# Altium PCB SmartLock_Alpha_v1.PcbDoc (continued)
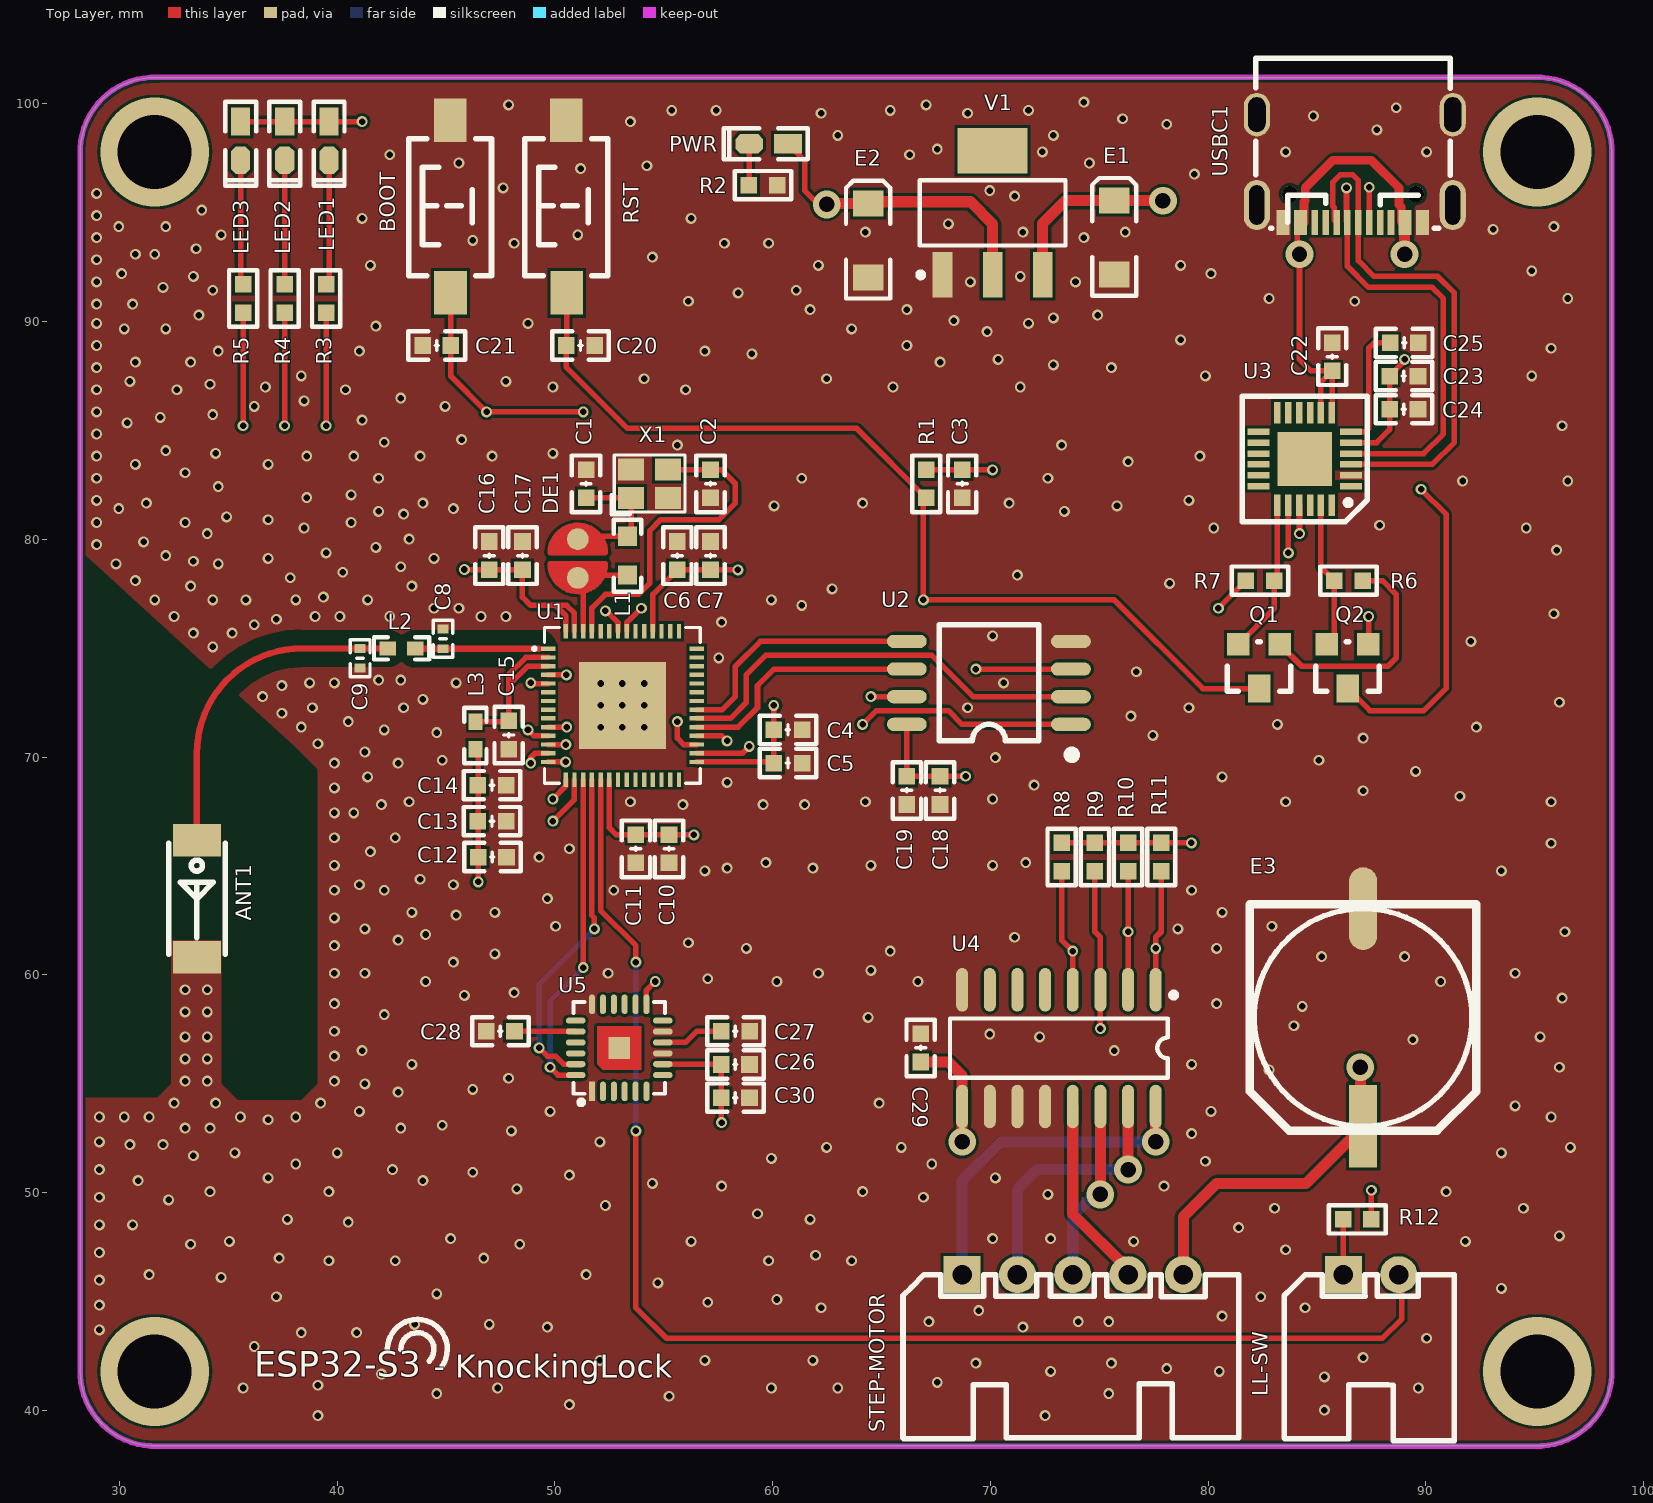
[diagram p0: Top Layer view]
## Footprints (in the part's own frame and the unit in brackets; to place one, negate y for a bottom-side part, rotate by r counter-clockwise, add the part's x,y. Pads: shape width x height; smd on the part's side, far side on the other; paste and mask are expansions set on the pad)
"C 0402_L" [mm] "无极性贴片电容         淘宝ID:黄晶宝石"
  rect 0.4x0.5 smd: 1(-0.45,0) 2(0.45,0)
  silkscreen extent -0.85,-0.45 0.85,0.45, body extent -0.5,-0.26 0.5,0.26, height 0.51
"C 0603_L" [mil] "无极性贴片电容                                       淘宝ID:黄晶宝石"
  rect 30x30 smd: 1(-25.59,0) 2(25.59,0)
  silkscreen extent -51,-26 51,26, body extent -31,-16 32,16, height 32
"CD A(3216)" [mm] "长3.2mm，宽1.6mm，厚1.6mm      淘宝ID:黄晶宝石"
  rect 1.2x1.4 smd: 1(-1.7,0) 2(1.7,0)
  silkscreen extent -2.74,-1.02 2.67,1.02, body extent -1.6,-0.8 1.6,0.8, height 1.6
"CT 10*8 - C" [mm] "直径10mm，高8mm"
  rect 3.8x1.3 smd: 1(5,0)
  oval 3.8x1.3 smd: 2(-5,0)
  silkscreen extent -5.2,-5.2 5.2,5.2, body extent -5.8,-5.15 5.8,5.15, height 8
DEBUG_A [mm] "调试断点焊盘"
  round 1 smd paste-1: 1(-0.889,0) 2(0.889,0)
  Top Layer region: 0.254,1.27 0.254,-1.27 0.762,-1.143 1.397,-0.508 1.524,0.254 1.27,0.762 1.016,1.016 0.508,1.27
  Top Layer region: -0.254,1.27 -0.254,-1.27 -0.762,-1.143 -1.397,-0.508 -1.524,0.254 -1.27,0.762 -1.016,1.016 -0.508,1.27
  Top Layer lines w0.254: -0.254,1.27 ccw(c-0.254,0) -1.5,-0.248 ccw(c-0.254,0) -0.762,-1.164 ccw(c-0.254,0) -0.254,-1.27 -0.254,1.27 ; 0.254,1.27 cw(c0.254,0) 1.016,-1.016 cw(c0.254,0) 0.254,-1.27 0.254,1.27
"L 0402" [mil] "小功率贴片电感        淘宝ID:黄晶宝石"
  rect 30x25 smd: 1(-25,0) 2(25,0)
  silkscreen extent -50,-20 50,20, body extent -20,-10 20,10, height 20
"L 0603" [mil] "小功率贴片电感        淘宝ID:黄晶宝石"
  rect 35x35 smd: 1(-35,0) 2(35,0)
  silkscreen extent -65,-25 65,25, body extent -31,-16 32,16, height 31
"LED 0603B" [mil] "蓝色0603LED                             淘宝ID:黄晶宝石"
  rect 50x35 smd: 1(-35,0.26)
  oct 50x35 smd: 2(35,0.26)
  silkscreen extent -71,-28 81,28, body extent -31,-16 32,16, height 24
"OSC 2025-4P" [mm] "2*2.5*0.55mm(长宽高)                    淘宝ID:黄晶宝石"
  rect 1.2x1 smd: 1(-0.85,-0.65) 2(0.85,-0.65) 3(0.85,0.65) 4(-0.85,0.65)
  silkscreen extent -1.75,-1.4 1.63,1.32, body extent -1.25,-1 1.25,1, height 0.55
QFN24 [mm] "4mm*4mm 封装库来自淘宝卖家 ID：黄晶宝石"
  rect 1x0.3 smd: 1(-2.125,1.25) 2(-2.125,0.75) 3(-2.125,0.25) 4(-2.125,-0.25) 5(-2.125,-0.75) 6(-2.125,-1.25) 13(2.125,-1.25) 14(2.125,-0.75) 15(2.125,-0.25) 16(2.125,0.25) 17(2.125,0.75) 18(2.125,1.25)
  rect 0.3x1 smd: 7(-1.25,-2.125) 8(-0.75,-2.125) 9(-0.25,-2.125) 10(0.25,-2.125) 11(0.75,-2.125) 12(1.25,-2.125) 19(1.25,2.125) 20(0.75,2.125) 21(0.25,2.125) 22(-0.25,2.125) 23(-0.75,2.125) 24(-1.25,2.125)
  rect 2.5x2.5 smd: 25(0,0)
  silkscreen extent -2.88,-2.88 2.88,2.88, body extent -2,-2 2,2, height 0.9
"QFN24 4x4_N" [mm] "24脚，长x宽x高：4x4x1mm，脚距：0.5mm"
  rect 0.28x0.9 smd: 1(-1.25,-2)
  oval 0.28x0.9 smd: 2(-0.75,-2) 3(-0.25,-2) 4(0.25,-2) 5(0.75,-2) 6(1.25,-2) 13(1.25,2) 14(0.75,2) 15(0.25,2) 16(-0.25,2) 17(-0.75,2) 18(-1.25,2)
  oval 0.9x0.28 smd: 7(2,-1.25) 8(2,-0.75) 9(2,-0.25) 10(2,0.25) 11(2,0.75) 12(2,1.25) 19(-2,1.25) 20(-2,0.75) 21(-2,0.25) 22(-2,-0.25) 23(-2,-0.75) 24(-2,-1.25)
  rect 1x1 smd: 25(0,0)
  Top Layer region: -1,1 1,1 1,-1 -0.75,-1 -1,-0.75
  silkscreen extent -2.11,-2.6 2.11,2.11, body extent -2.01,-2.01 2.01,2.01, height 0.95
"QFN56 7x7" [mm] "56脚 QFN65 7x7"
  rect 0.665x0.2 smd: 1(-3.408,2.6) 2(-3.408,2.2) 3(-3.408,1.8) 4(-3.408,1.4) 5(-3.408,1) 6(-3.408,0.6) 7(-3.408,0.2) 8(-3.408,-0.2) 9(-3.408,-0.6) 10(-3.408,-1) 11(-3.408,-1.4) 12(-3.408,-1.8) 13(-3.408,-2.2) 14(-3.408,-2.6) 29(3.407,-2.6) 30(3.407,-2.2) 31(3.407,-1.8) 32(3.407,-1.4) 33(3.407,-1) 34(3.407,-0.6) 35(3.407,-0.2) 36(3.407,0.2) 37(3.407,0.6) 38(3.407,1) 39(3.407,1.4) 40(3.407,1.8) 41(3.407,2.2) 42(3.407,2.6)
  rect 0.2x0.665 smd: 15(-2.6,-3.407) 16(-2.2,-3.407) 17(-1.8,-3.407) 18(-1.4,-3.407) 19(-1,-3.407) 20(-0.6,-3.407) 21(-0.2,-3.407) 22(0.2,-3.407) 23(0.6,-3.407) 24(1,-3.407) 25(1.4,-3.407) 26(1.8,-3.407) 27(2.2,-3.407) 28(2.6,-3.407) 43(2.6,3.408) 44(2.2,3.408) 45(1.8,3.408) 46(1.4,3.408) 47(1,3.408) 48(0.6,3.408) 49(0.2,3.408) 50(-0.2,3.408) 51(-0.6,3.408) 52(-1,3.408) 53(-1.4,3.408) 54(-1.8,3.408) 55(-2.2,3.408) 56(-2.6,3.408)
  rect 4x4 smd: 57(0,0)
  silkscreen extent -4.11,-3.58 3.58,3.58, body extent -3.51,-3.51 3.51,3.51, height 0.9
"R 0603_L" [mil] "1/10W贴片电阻                 淘宝ID:黄晶宝石"
  rect 30x30 smd: 1(-25.59,0) 2(25.59,0)
  silkscreen extent -51,-26 51,26, body extent -31,-16 32,16, height 16
SMD-2051 [mm]
  rect 1.5x2.2 smd: 1(-2.679,0.03) 2(2.701,0.03)
  silkscreen extent -2.55,-1.27 2.56,1.33, body extent -2.54,-1.02 2.54,1.02, height 1.2
SOIC-8W [mil] "25Q128 SPI_FLASH  SOIC8，封装库来自淘宝卖家 ID：黄晶宝石"
  oval 72x24 smd: 1(-148.35,75) 2(-148.35,25) 3(-148.35,-25) 4(-148.35,-75) 5(148.35,-75) 6(148.35,-25) 7(148.35,25) 8(148.35,75)
  silkscreen extent -155,-105 90,135, body extent -155,-104 155,104, height 75
SOP16 [mm] "封装库来自淘宝卖家 ID：黄晶宝石"
  oval 2x0.55 smd: 1(-2.667,4.445) 2(-2.667,3.175) 3(-2.667,1.905) 4(-2.667,0.635) 5(-2.667,-0.635) 6(-2.667,-1.905) 7(-2.667,-3.175) 8(-2.667,-4.445) 9(2.692,-4.445) 10(2.692,-3.175) 11(2.692,-1.905) 12(2.692,-0.635) 13(2.692,0.635) 14(2.692,1.905) 15(2.692,3.175) 16(2.692,4.445)
  silkscreen extent -2.55,-5 1.37,5.4, body extent -3,-5 3,5, height 1.9
SOT23-3N [mil] "封装库来自淘宝卖家 ID：黄晶宝石"
  rect 40x40 smd: 1(4.88,0.63) 2(79.88,0.63)
  rect 40x50 smd: 3(41.88,80.63)
  silkscreen extent -15,-4 100,86, body extent -16,-6 102,89, height 41
SOT223_L [mm] "SOT223, 4-Leads, Body 6.5x3.5mm, Pitch 2.3mm, Lead Span 7mm, IPC High Density"
  rect 2.1x0.9 smd: 1(-2.85,2.3) 2(-2.85,0) 3(-2.85,-2.3)
  rect 2.1x3.2 smd: 4(2.85,0)
  silkscreen extent -2.97,-3.35 1.5,3.42, body extent -1.85,-3.35 1.85,3.35, height 1.7
"TSW SMD-3*6*2.5" [mm] "3*6*2.5mm"
  rect 2x1.5 smd: 1(-3.996,-0.02) 2(3.937,0)
  silkscreen extent -3.21,-1.9 3.09,1.9, body extent -4,-1.88 4,1.62, height 2.59
USB-C-SMD_TYPE-C-USB-5 [mm]
  oval 1.2x2 hole 0.8 slot 1.6 at 90 deg: 0(-4.5,-2.475) 0(4.5,-2.475)
  oval 1.2x2.3 hole 0.7 slot 1.8 at 90 deg: 0(-4.5,1.675) 0(4.5,1.675)
  rect 0.3x1.15 smd: A1(-3.263,2.473) A4(-2.462,2.471) A5(-1.162,2.475) A6(-0.162,2.475) A7(0.337,2.473) A9(2.638,2.475) A12(3.438,2.475) B1(3.138,2.475) B4(2.337,2.475) B5(1.838,2.475) B6(0.838,2.475) B7(-0.663,2.473) B9(-2.162,2.471) B12(-2.963,2.473)
  rect 0.3x1.148 smd: A8(-1.663,2.475) B8(1.337,2.475)
  round 0.75 hole 0.75 unplated: ""(-2.803,1.175) ""(2.978,1.175)
  silkscreen extent -4.38,-5.08 4.56,2.75, body extent -4.34,-5.14 4.6,2.76, height 3.25
XH2.54-WI-2P [mm] "接插件，2P"
  rect 1.7x1.7 hole 0.9: 1(-1.27,0)
  round 1.7 hole 0.9: 2(1.27,0)
  silkscreen extent -3.99,-7.62 3.81,0, body extent -3.77,-7.35 3.77,0.35, height 5.73
XH2.54-WI-5P [mm] "接插件，5P"
  rect 1.7x1.7 hole 0.9: 1(-5.08,0)
  round 1.7 hole 0.9: 2(-2.54,0) 3(0,0) 4(2.54,0) 5(5.08,0)
  silkscreen extent -7.8,-7.53 7.62,0, body extent -7.58,-7.35 7.58,0.35, height 5.73

## Part data
ANT1: library part AN2051, "AN2051 多层贴片天线 2.45GHz @110Mhz带宽 50ohm阻抗"
BOOT RST: library part "TSW 3x6", "3x6轻触开关"
C1 C2 C3 C4 C5 C6 C7 C10 C11 C12 C13 C14 C15 C16 C17 C18 C19 C20 C21 C22 C23 C24 C25 C26 C27 C28 C29 C30: library part C, "贴片电容"
C8 C9: library part C-Precision, "精密电容"
DE1: library part DEBUG, "调试断点焊盘"
E1 E2: library part CT, "贴片钽电容"
E3: library part CS_SMD, "贴片固态电容"
L1 L2 L3: library part L, "小功率贴片电感"
LED1 LED2 LED3 PWR: library part LED-SMD, "贴片LED"
LL-SW: library part "Header 2", "2P接插件", BOM名称=2
Q1 Q2: library part 8050-SMD, "高频放大-NPN型"
R1 R2 R3 R4 R5 R6 R7 R8 R9 R10 R11 R12: library part R, "贴片电阻"
STEP-MOTOR: library part "Header 5", "5P接插件", BOM名称=5
U1: "2.4 GHz Wi-Fi + 低功耗蓝牙 SoC"
U2: library part W25Q64, "8MB SPI Flash存储器"
U3: "QFN24 CH9102 CP2102替代"
U4: library part ULN2003
U5: "三轴加速度计和三轴陀螺仪，工作电压：2.375V~3.46V"
USBC1: library part "USB2.0 Type-C 16Pin母座", "USB2.0 Type-C 母座 16Pin"
V1: library part AMS1117, "三端稳压芯片"
X1: library part XTAL-4P, "4脚无源晶振"

## Via types
v1: diameter 0.5, hole 0.3, Top Layer to Bottom Layer, tented both sides, 565 vias
v2: diameter 1.27, hole 0.711, Top Layer to Bottom Layer, tented both sides, 9 vias
v3: diameter 0.61, hole 0.305, Top Layer to Bottom Layer, tented both sides, 9 vias
v4: diameter 5, hole 3.4, Top Layer to Bottom Layer, 4 vias

## Nets (pads, with @x,y where several pads share a name; then routed paths per layer and width w, separated by ;. In a path a pad name is that pad's centre, name@x,y a point inside that pad or via, vN(x,y) a via of type N, cw(c..) or ccw(c..) an arc to the next point about the centre after c; other vN are vias at no path point)
5V: C22.2 C29.1 E1.1 E3.1 R8.2 R9.2 R10.2 R11.2 STEP-MOTOR.5 U3.7 U3.8 U4.9 USBC1.A4 USBC1.A9 USBC1.B4 USBC1.B9 V1.3 | length 138.4
  Top Layer w0.254: R8.2 R9.2 R10.2 R11.2 v1(79.233,66.055) ; v2@84.103,93.419 USBC1.A9 ; v2(84.201,93.091) 84.201,88.265 84.73,87.736 C22.2 ; U3.8 85.188,87.216 C22.2 ; U3.7 85.708,85.832 C22.2 ; 88.903,93.723 USBC1.B9 ; v2@89.154,93.472 89.154,94.508 USBC1.A4
  Top Layer w0.4: USBC1.B4 84.404,95.5 84.465,95.562 84.465,96.144 85.731,97.409 87.503,97.409 88.773,96.139 88.773,95.37 88.88,95.263 88.88,94.58 USBC1.B9
  Top Layer w0.508: C29.1 68.087,55.992 68.707,55.372 U4.9 v2(68.707,52.324) ; V1.3 72.404,94.502 73.455,95.553 E1.1 v2(77.929,95.553) ; STEP-MOTOR.5 78.867,48.895 80.391,50.419 84.502,50.419 E3.1 86.995,53.166 v2(86.995,55.753)
  Signal Layer 2 w0.508: v2(68.707,52.324) 68.707,50.292 70.104,48.895 77.597,48.895 78.867,47.625 STEP-MOTOR.5 ; v2(77.929,95.553) 80.391,93.091 v2(84.201,93.091) v2(89.027,93.091) 91.313,93.091 93.345,91.059 93.345,68.834 90.566,66.055 ; v1(79.233,66.055) 90.566,66.055 ; v2(86.995,55.753) 86.995,62.484 90.566,66.055
ANT: C8.2 L2.1 U1.1 | length 5.7
  Top Layer w0.147: L2.1@43.599,74.974 L2.1
  Top Layer w0.292: L2.1@43.599,74.974 49.276,74.974
AVDD: C3.2 C4.1 C5.1 C6.1 C7.1 C10.1 C11.1 C12.1 C13.1 C14.1 C16.1 C17.1 C18.1 C19.1 C23.2 C24.2 C26.1 C30.1 E2.1 L3.1 LED1.1 LED2.1 LED3.1 PWR.1 R1.2 R12.2 U1.20 U1.29 U1.46 U1.55 U1.56 U2.8 U3.5 U5.8 U5.13 V1.2 | length 74.8
  Top Layer w0.254: LED3.1 LED1.1 v1(41.148,99.187) ; v1(45.847,78.613) 45.862,78.598 C16.1 C17.1 48.514,77.343 48.895,76.962 50.038,76.962 ; L3.1 46.482,70.231 C12.1 v1(46.482,64.262) ; U1.56 50.502,76.498 50.038,76.962 ; U1.55 50.902,76.606 50.546,76.962 50.038,76.962 ; U1.20 52.502,66.751 52.817,66.436 C11.1 C10.1 55.26,66.421 v1(56.388,66.421) ; U5.13 54.209,59.289 v1(54.61,59.69) ; U1.46 54.502,77.474 C6.1 C7.1 v1(58.405,78.598) ; U5.8 57.631,55.892 C26.1 C30.1 57.643,53.228 v1(57.658,53.213) ; U1.29 59.98,69.774 60.056,69.85 C4.1 v1(60.056,72.375) ; PWR.1 61.468,97.402 61.468,96.012 62.103,95.377 v2(62.484,95.377) v2@62.533,95.426 ; U2.8 C19.1 C18.1 v1(68.864,69.118) ; R1.2 C3.2 70.089,83.2 v1(70.104,83.185) ; U3.5 87.739,84.437 88.345,85.043 C24.2 C23.2 89.027,88.179 v1(89.027,88.265) ; R12.2 v1(87.503,50.103)
  Top Layer w0.508: v2@62.533,95.426 E2.1 ; E2.1@64.389,95.68 64.565,95.504 69.088,95.504 70.104,94.488 V1.2
DTR: Q2.2 R6.1 U3.23 | length 6.8
  Top Layer w0.254: U3.23 85.188,78.716 R6.1 85.805,75.529 Q2.2
EN: C20.2 Q1.3 R1.1 RST.1 U1.4 | length 62.9
  Top Layer w0.254: U1.4 v1(50.533,73.774) ; RST.1 50.546,88.915 C20.2 50.531,87.899 53.34,85.09 63.866,85.09 R1.1 66.929,81.773 v1(66.929,77.216) 75.692,77.216 79.762,73.146 Q1.3
  Signal Layer 2 w0.254: v1(50.533,73.774) 52.07,75.311 65.024,75.311 v1(66.929,77.216)
GND: ANT1.2 BOOT.2 C1.1 C2.1 C3.1 C4.2 C5.2 C6.2 C7.2 C8.1 C9.1 C10.2 C11.2 C12.2 C13.2 C14.2 C15.2 C16.2 C17.2 C18.2 C19.2 C20.1 C21.1 C22.1 C23.1 C24.1 C25.1 C26.2 C27.1 C28.1 C29.2 C30.2 E1.2 E2.2 E3.2 R2.2 RST.2 U1.57 U2.4 U3.2 U4.8 U4.10 U4.11 U4.12 U5.1 U5.9 U5.11 U5.18 USBC1.0 USBC1.A1 USBC1.A12 USBC1.B1 USBC1.B12 V1.1 X1.2 X1.4
  other v1: 39.116,39.751 72.517,39.751 85.344,40.005 50.673,40.259 55.245,40.64 44.577,40.767 75.438,40.767 35.687,41.021 47.371,41.021 59.944,41.021 62.992,41.021 89.662,41.021 39.116,41.148 67.564,41.275 85.344,41.529 42.037,41.656 72.771,41.783 80.518,41.783 78.105,41.91 69.342,42.164 75.565,42.164 52.07,42.291 56.896,42.291 61.849,42.291 87.122,42.418 36.195,42.926 90.043,43.307 38.354,43.561 40.894,43.561 29.083,43.688 49.657,43.815 71.501,43.815 43.561,43.942 46.99,43.942 67.183,44.069 74.041,44.069 75.438,44.069 80.645,44.323 69.469,44.577 62.23,44.704 84.455,44.704 29.083,44.831 57.023,44.958 60.198,45.085 37.211,45.212 82.423,45.212 44.577,45.339 93.472,45.593 54.737,45.847 29.083,45.974 34.671,46.101 31.369,46.228 51.435,46.228 39.624,46.863 42.672,46.863 59.817,46.863 63.627,46.863 37.338,46.99 46.736,46.99 61.976,47.117 29.083,47.244 83.566,47.371 33.274,47.625 48.387,47.625 35.052,47.752 56.261,47.752 76.581,47.752 91.821,47.752 45.212,47.879 70.104,47.879 72.771,47.879 96.139,48.006 81.407,48.387 29.083,48.514 30.607,48.514 40.513,48.641 37.719,48.768 61.722,48.768 59.309,49.022 83.058,49.276 94.488,49.276 52.324,49.403 32.258,49.657 29.083,49.784 66.929,49.784 72.644,49.911 34.163,50.038 39.624,50.038 64.135,50.038 90.932,50.038 48.26,50.165 57.658,50.292 77.978,50.292 54.483,50.419 30.861,50.546 43.942,50.546 36.83,50.673 70.231,50.673 50.673,50.8 46.228,50.927 29.083,51.054 42.545,51.054 38.1,51.308 67.31,51.308 79.883,51.435 59.944,51.562 33.401,51.689 35.306,51.816 40.005,51.816 93.472,51.816 62.484,52.07 65.913,52.07 96.647,52.07 30.48,52.197 32.004,52.197 29.083,52.324 52.07,52.324 79.248,52.705 48.006,52.832 33.02,52.959 34.163,52.959 42.926,52.959 44.831,53.086 36.83,53.34 29.083,53.467 30.226,53.467 31.369,53.467 35.56,53.467 38.1,53.467 95.758,53.467 41.021,53.721 49.784,53.721 80.137,53.721 94.107,53.975 32.512,54.102 34.417,54.102 39.243,54.102 64.897,54.102 42.799,54.61 46.228,54.737 41.275,54.991 33.02,55.118 34.036,55.118 39.878,55.118 47.879,55.245 82.804,55.626 96.139,55.753 43.434,55.88 79.248,55.88 33.02,56.134 34.036,56.134 39.878,56.261 41.148,56.515 75.692,56.515 89.408,57.023 33.02,57.15 34.036,57.15 72.263,57.15 95.25,57.15 69.977,57.277 39.878,57.404 83.947,57.658 64.389,58.039 42.164,58.166 33.02,58.293 34.036,58.293 84.328,58.547 39.878,58.674 80.391,58.674 96.266,58.928 45.847,59.055 48.133,59.182 33.02,59.309 34.036,59.309 44.069,59.69 60.198,59.69 66.675,59.69 90.678,59.69 57.023,59.817 39.878,60.071 41.275,60.071 52.451,60.071 62.103,60.071 94.107,60.071 64.516,60.198 45.339,60.579 85.217,60.833 89.027,60.833 47.244,60.96 65.405,61.087 58.801,61.214 80.391,61.214 39.878,61.341 56.134,61.468 42.799,61.595 71.12,61.722 44.069,61.849 96.393,61.976 41.275,62.103 78.613,62.103 50.038,62.23 82.931,62.23 39.878,62.611 45.466,62.738 43.434,62.865 47.244,62.865 80.645,62.865 49.657,63.5 39.878,63.881 42.164,63.881 52.705,63.881 79.248,63.881 41.021,64.135 45.339,64.135 43.815,64.389 56.896,64.77 93.472,64.77 57.912,64.897 61.849,64.897 39.878,65.024 64.516,65.024 70.104,65.024 59.69,65.151 71.628,65.151 49.276,65.405 41.529,65.659 50.673,65.786 95.758,66.04 39.878,66.294 42.672,66.294 39.878,67.437 40.767,67.437 42.037,67.818 55.88,67.818 59.563,67.818 61.468,67.818 43.307,67.945 53.467,67.945 64.262,67.945 83.566,67.945 95.758,67.945 70.104,68.072 91.567,68.199 87.122,68.453 39.878,68.58 72.009,68.707 57.912,68.834 41.402,69.088 80.645,69.088 89.535,69.342 39.878,69.723 42.799,69.723 44.831,69.85 85.09,69.85 70.231,69.977 41.275,70.231 39.116,70.612 87.122,70.866 77.47,70.993 44.577,71.12 42.164,71.247 38.354,71.374 92.329,71.374 83.185,71.501 40.513,71.628 76.454,71.882 37.465,72.009 38.862,72.263 43.053,72.263 68.961,72.263 79.121,72.263 96.139,72.517 43.942,72.644 36.576,72.771 37.465,73.279 38.735,73.406 39.878,73.406 45.466,73.406 70.612,73.406 41.91,73.533 42.926,73.533 76.708,73.914 57.531,74.549 34.29,75.057 92.075,75.311 70.104,75.565 33.401,75.692 35.179,75.692 36.195,76.073 57.658,76.2 37.211,76.327 32.512,76.454 38.989,76.454 40.132,76.454 42.418,76.454 46.609,76.454 47.752,76.454 95.885,76.581 44.45,76.835 45.593,76.835 61.341,76.962 31.623,77.216 34.29,77.216 35.814,77.216 38.1,77.216 41.402,77.216 59.944,77.216 39.37,77.343 62.738,77.724 33.274,77.851 43.434,77.851 78.232,77.978 30.734,78.105 37.846,78.232 71.247,78.359 40.259,78.486 42.926,78.74 29.845,78.867 34.544,78.867 33.401,78.994 36.83,79.121 44.45,79.121 32.131,79.248 39.497,79.375 96.012,79.502 41.783,79.629 28.956,79.756 31.115,79.883 43.307,80.01 34.036,80.264 38.481,80.518 80.264,80.518 94.615,80.518 87.884,80.645 28.956,80.772 33.02,80.772 40.64,80.772 36.83,80.899 34.925,81.026 43.053,81.153 41.91,81.28 73.406,81.28 29.972,81.407 45.339,81.407 60.071,81.534 75.819,81.534 31.242,81.661 43.942,81.661 64.135,81.661 70.866,81.661 28.956,81.788 79.121,81.788 38.608,81.915 40.64,82.042 34.544,82.423 91.694,82.677 96.52,82.677 28.956,82.804 41.91,82.804 61.341,82.804 72.644,82.804 33.02,83.058 30.734,83.439 36.83,83.439 76.327,83.566 28.956,83.82 38.608,83.82 40.767,83.82 43.815,83.82 47.117,83.82 79.629,83.82 34.417,83.947 49.911,83.947 32.131,84.074 55.626,84.328 73.279,84.328 42.164,84.455 45.72,84.582 28.956,84.836 96.266,85.217 30.353,85.344 41.148,85.471 31.877,85.598 34.29,85.725 28.956,85.852 36.195,86.106 44.958,86.106 38.481,86.36 42.926,86.487 28.956,86.868 32.639,86.868 40.386,86.868 56.007,86.868 36.703,86.995 49.911,86.995 65.532,86.995 71.374,86.995 34.163,87.122 30.48,87.249 47.752,87.249 54.102,87.376 62.484,87.376 38.354,87.503 79.883,87.503 94.869,87.503 28.956,87.884 75.565,87.884 72.898,88.011 30.734,88.138 33.274,88.138 67.691,88.138 70.358,88.265 59.055,88.519 34.544,88.646 41.021,88.646 56.896,88.646 95.758,88.773 28.956,88.9 66.167,88.9 78.74,89.154 69.85,89.535 30.226,89.662 32.131,89.662 63.627,89.662 41.783,89.789 28.956,89.916 48.768,89.916 71.755,89.916 68.326,90.043 72.898,90.17 33.655,90.297 74.93,90.297 61.722,90.551 66.167,90.551 28.956,90.805 30.607,90.805 56.134,90.932 86.741,90.932 82.804,91.059 96.52,91.059 58.42,91.313 34.29,91.44 61.087,91.44 32.004,91.567 28.956,91.821 69.088,91.821 73.914,91.821 33.401,92.075 71.374,92.075 30.099,92.202 80.137,92.202 94.869,92.329 41.529,92.583 62.103,92.583 78.74,92.583 28.956,92.837 54.483,92.964 30.734,93.091 31.623,93.091 33.528,93.345 48.133,93.599 57.785,93.599 59.817,93.599 46.228,93.726 28.956,93.853 74.295,93.853 34.671,93.98 51.054,93.98 64.262,94.107 71.501,94.107 76.2,94.107 93.091,94.234 29.972,94.361 32.131,94.361 95.885,94.361 68.072,94.488 41.148,94.742 56.261,94.742 28.956,94.869 33.782,95.123 71.12,95.758 28.956,95.885 69.977,96.012 47.625,96.139 79.375,96.774 51.181,97.028 54.229,97.155 45.593,97.282 74.549,97.282 42.418,97.663 66.294,97.663 72.39,97.79 83.566,97.79 90.043,97.79 67.564,97.917 62.992,98.552 72.898,98.552 87.757,98.806 78.105,99.06 53.467,99.187 76.073,99.314 84.836,99.441 62.23,99.568 68.961,99.568 55.372,99.695 57.404,99.695 65.405,99.695 71.755,99.695 88.646,99.822 47.879,99.949 67.056,99.949 74.295,100.076
  other v3: 52.102,71.374 53.103,71.375 54.102,71.374 52.102,72.374 53.102,72.374 54.102,72.374 52.102,73.374 53.102,73.374 54.102,73.374
M1: STEP-MOTOR.1 U4.16 | length 16.2
  Top Layer w0.508: U4.16 v2(77.597,52.324) v2@77.851,52.324
  Bottom Layer w0.508: STEP-MOTOR.1 68.707,50.546 70.485,52.324 77.349,52.324 77.597,52.076 v2(77.597,52.324)
M2: STEP-MOTOR.2 U4.15 | length 12
  Top Layer w0.508: v2@76.327,51.308 U4.15
  Bottom Layer w0.508: STEP-MOTOR.2 71.247,50.165 72.136,51.054 v2(76.327,51.054)
M3: STEP-MOTOR.3 U4.14 | length 8.4
  Top Layer w0.508: v2(75.057,49.911) U4.14
  Bottom Layer w0.508: STEP-MOTOR.3 73.787,48.895 74.803,49.911 v2(75.057,49.911)
M4: STEP-MOTOR.4 U4.13 | length 8.8
  Top Layer w0.508: U4.13 73.787,49.022 76.327,46.482 STEP-MOTOR.4
NetANT1_1: ANT1.1 C9.2 L2.2 | length 15.5
  Top Layer w0.292: ANT1.1 33.558,70.157 cw(c38.387,70.157) 38.387,74.986 C9.2 L2.2
NetBOOT_1: BOOT.1 C21.2 Q2.3 U1.5 | length 79.6
  Top Layer w0.254: BOOT.1 45.212,88.915 C21.2 45.227,87.488 v1(46.863,85.852) v1(51.308,85.852) ; v1(48.895,73.406) 48.927,73.374 U1.5 ; Q2.3 87.429,72.136 89.916,72.136 90.932,73.152 90.932,81.153 v1(89.789,82.296)
  Signal Layer 2 w0.254: v1(46.863,85.852) 48.895,83.82 v1(48.895,73.406) ; v1(51.308,85.852) 86.233,85.852 v1(89.789,82.296)
NetC1_2: C1.2 DE1.2 L1.2 X1.1 | length 6.3
  Top Layer w0.254: DE1.2 51.181,80.137 52.07,80.137 L1.2 ccw(c53.34,80.303) 53.506,80.303 X1.1 C1.2
NetC25_2: C25.2 U3.6 | length 5.6
  Top Layer w0.254: U3.6 87.223,84.937 87.376,85.09 87.376,88.773 87.624,89.021 C25.2
NetC27_2: C27.2 U5.10 | length 2.9
  Top Layer w0.254: U5.10 56.003,56.892 56.515,57.404 C27.2
NetC28_2: C28.2 U5.20 | length 2.8
  Top Layer w0.254: C28.2 50.947,57.404 U5.20
NetLED1_2: LED1.2 R3.1 | length 5.8
  Top Layer w0.254: R3.1 39.631,91.843 LED1.2
NetLED2_2: LED2.2 R4.1 | length 5.7
  Top Layer w0.254: R4.1 LED2.2
NetLED3_2: LED3.2 R5.1 | length 5.7
  Top Layer w0.254: LED3.2 35.567,91.829 R5.1
NetLL-SW_1: LL-SW.1 R12.1 | length 2.5
  Top Layer w0.254: R12.1 86.203,46.243 LL-SW.1
NetLL-SW_2: LL-SW.2 U1.19 | length 63.1
  Top Layer w0.254: U1.19 52.102,62.96 53.721,61.341 v1(53.721,60.579) ; v1(53.721,52.832) 53.721,44.704 55.118,43.307 88.011,43.307 88.9,44.196 88.9,46.086 LL-SW.2
  Bottom Layer w0.254: v1(53.721,52.832) v1(53.721,60.579)
NetPWR_2: PWR.2 R2.1 | length 1.9
  Top Layer w0.254: R2.1 58.928,96.281 PWR.2
NetQ1_1: Q1.1 R6.2 | length 10.6
  Top Layer w0.254: Q1.1 84.305,74.168 88.265,74.168 88.646,74.549 88.646,77.47 88.017,78.099 R6.2
NetQ2_1: Q2.1 R7.2 | length 12
  Top Layer w0.254: v1(80.477,76.835) R7.2 ; Q2.1 87.376,75.195 v1(87.376,76.454)
  Signal Layer 2 w0.254: v1(80.477,76.835) 80.477,75.606 81.026,75.057 83.312,75.057 84.709,76.454 v1(87.376,76.454)
NetR3_2: R3.2 U1.10 | length 25.5
  Top Layer w0.254: v1(39.497,85.217) R3.2 ; U1.10 v1(50.546,71.374)
  Signal Layer 2 w0.254: v1(39.497,85.217) 39.497,80.645 48.133,72.009 49.911,72.009 v1(50.546,71.374)
NetR4_2: R4.2 U1.11 | length 26.2
  Top Layer w0.254: v1(37.592,85.217) R4.2 ; v1(48.768,71.247) 49.041,70.974 U1.11
  Signal Layer 2 w0.254: v1(37.592,85.217) 37.592,80.137 46.482,71.247 v1(48.768,71.247)
NetR5_2: R5.2 U1.12 | length 30.7
  Top Layer w0.254: v1(35.687,85.217) R5.2 ; U1.12 v1(50.508,70.574)
  Signal Layer 2 w0.254: v1(35.687,85.217) 35.687,78.74 43.853,70.574 v1(50.508,70.574)
NetR8_1: R8.1 U1.16 U4.4 | length 35.8
  Top Layer w0.254: v1(49.911,67.056) 50.902,68.047 U1.16 ; R8.1 73.279,61.595 v1(73.787,61.087) U4.4
  Signal Layer 2 w0.254: v1(49.911,67.056) 49.911,64.516 51.689,62.738 72.136,62.738 v1(73.787,61.087)
NetR9_1: R9.1 U1.15 U4.3 | length 44.6
  Top Layer w0.254: v1(49.911,68.072) 50.502,68.663 U1.15 ; R9.1 74.803,61.976 75.057,61.722 U4.3 v1(75.057,57.531)
  Signal Layer 2 w0.254: v1(49.911,68.072) 48.641,66.802 48.641,61.468 53.721,56.388 73.914,56.388 v1(75.057,57.531)
NetR10_1: R10.1 U1.14 U4.2 | length 36.4
  Top Layer w0.254: U1.14 v1(50.495,69.774) ; U4.2 v1(76.327,61.976) R10.1
  Signal Layer 2 w0.254: v1(50.495,69.774) 55.067,69.774 58.674,66.167 74.041,66.167 76.327,63.881 v1(76.327,61.976)
NetR11_1: R11.1 U1.13 U4.1 | length 39.1
  Top Layer w0.254: v1(48.895,69.723) 48.895,69.977 49.092,70.174 U1.13 ; U4.1 v1(77.597,61.214) 77.597,61.722 77.851,61.976 R11.1
  Signal Layer 2 w0.254: v1(48.895,69.723) 48.895,69.342 49.276,68.961 50.546,68.961 55.753,63.754 72.771,63.754 75.311,61.214 v1(77.597,61.214)
NetU1_6: U1.6
NetU1_7: U1.7
NetU1_8: U1.8
NetU1_9: U1.9
NetU1_17: U1.17 U5.24 | length 15.2
  Top Layer w0.254: v1(49.784,55.753) 50.145,55.392 U5.24 ; U1.17 51.302,60.331 v1(51.308,60.325)
  Bottom Layer w0.254: v1(49.784,55.753) 49.784,58.801 v1(51.308,60.325)
NetU1_18: U1.18 U5.23 | length 15.4
  Top Layer w0.254: v1(49.276,56.642) 49.657,56.261 50.038,56.261 50.407,55.892 U5.23 ; U1.18 51.702,62.725 51.816,62.611 v1(51.816,62.103)
  Bottom Layer w0.254: v1(49.276,56.642) 49.276,59.563 v1(51.816,62.103)
NetU1_21: U1.21
NetU1_22: U1.22
NetU1_23: U1.23
NetU1_24: U1.24
NetU1_25: U1.25
NetU1_26: U1.26
NetU1_27: U1.27
NetU1_28: U1.28
NetU1_36: U1.36
NetU1_37: U1.37
NetU1_38: U1.38
NetU1_39: U1.39
NetU1_40: U1.40
NetU1_41: U1.41
NetU1_42: U1.42
NetU1_43: U1.43
NetU1_44: U1.44
NetU1_45: U1.45
NetU1_47: U1.47
NetU1_48: U1.48
NetU1_49: U1.49 U3.20 | length 34.3
  Top Layer w0.254: U1.49 53.302,76.173 53.497,76.368 53.508,76.368 v1(53.975,76.835) ; U3.20 83.688,79.38 v1(83.693,79.375)
  Signal Layer 2 w0.254: v1(53.975,76.835) 56.261,79.121 83.439,79.121 v1(83.693,79.375)
NetU1_50: U1.50 U3.21 | length 37.2
  Top Layer w0.254: v1(52.324,76.708) 52.367,76.708 52.902,76.173 U1.50 ; U3.21 84.201,81.549 v1(84.201,80.264)
  Signal Layer 2 w0.254: v1(52.324,76.708) 52.324,78.994 53.213,79.883 83.82,79.883 v1(84.201,80.264)
NetU1_51: U1.51
NetU1_52: U1.52
RTS: Q1.2 R7.1 U3.19 | length 7.1
  Top Layer w0.254: Q1.2 83.041,76.829 R7.1 83.188,78.246 U3.19
SPICLK: U1.33 U2.6 | length 11.4
  Top Layer w0.254: U1.33 58.42,71.374 59.309,72.263 59.309,73.279 60.071,74.041 U2.6
SPICS0: U1.32 U2.1 | length 18.8
  Top Layer w0.254: U1.32 57.677,70.974 v1(57.912,70.739) ; v1(64.135,71.501) 64.77,72.136 68.072,72.136 68.707,71.501 U2.1
  Signal Layer 2 w0.254: v1(57.912,70.739) 58.674,69.977 62.611,69.977 v1(64.135,71.501)
SPID: U1.35 U2.5 | length 11.8
  Top Layer w0.254: U1.35 57.696,72.174 58.293,72.771 58.293,74.168 59.436,75.311 U2.5
SPIHD: U1.30 U2.7 | length 10.7
  Top Layer w0.254: U1.30 58.617,70.174 v1(58.928,70.485) ; v1(64.516,72.771) U2.7
  Signal Layer 2 w0.254: v1(58.928,70.485) 61.214,72.771 v1(64.516,72.771)
SPIQ: U1.34 U2.2 | length 19.9
  Top Layer w0.254: U1.34 58.058,71.774 58.801,72.517 58.801,73.787 59.69,74.676 67.31,74.676 69.215,72.771 U2.2
SPIWP: U1.31 U2.3 | length 21.6
  Top Layer w0.254: v1(55.626,71.628) 55.626,70.866 55.918,70.574 U1.31 ; v1(69.342,74.041) U2.3
  Signal Layer 2 w0.254: v1(55.626,71.628) 55.626,72.898 56.134,73.406 67.31,73.406 67.945,74.041 v1(69.342,74.041)
USBD+: U3.3 USBC1.A6 USBC1.B6 | length 24.1
  Top Layer w0.254: USBC1.B6 85.808,94.649 85.808,95.232 85.725,95.315 85.725,96.393 86.071,96.739 86.649,96.739 86.903,96.485 USBC1.A6 86.903,92.802 87.63,92.075 90.551,92.075 91.313,91.313 91.313,84.455 90.295,83.437 U3.3
USBD-: U3.4 USBC1.A7 USBC1.B7 | length 22.5
  Top Layer w0.254: v1(86.36,96.139) 86.36,94.598 USBC1.A7 86.404,92.539 87.376,91.567 90.297,91.567 90.805,91.059 90.805,84.836 89.906,83.937 U3.4 ; USBC1.B7 v1(87.404,96.167)
  Signal Layer 2 w0.254: v1(86.36,96.139) 86.36,96.266 86.614,96.52 87.05,96.52 v1(87.404,96.167)
VDD3P3: C15.1 L3.2 U1.2 U1.3 | length 8
  Top Layer w0.254: L3.2 47.849,71.628 C15.1 47.879,73.279 ; U1.3 48.774,74.174 47.879,73.279 ; U1.2 48.666,74.574 47.879,73.787 47.879,73.279
XTALN: C2.2 U1.53 X1.3 | length 15.3
  Top Layer w0.254: U1.53 51.702,76.848 52.324,77.47 53.848,77.47 54.356,77.978 54.356,80.391 54.864,80.899 57.531,80.899 58.293,81.661 58.293,82.55 57.643,83.2 C2.2 X1.3
XTALP: DE1.1 L1.1 U1.54 | length 3.7
  Top Layer w0.254: DE1.1 51.302,77.984 51.302,77.621 U1.54 ; 52.218,78.359 L1.1
pads on no net: U3.1 U3.9 U3.10 U3.11 U3.12 U3.13 U3.14 U3.15 U3.16 U3.17 U3.18 U3.22 U3.24 U3.25 U4.5 U4.6 U4.7 U5.2 U5.3 U5.4 U5.5 U5.6 U5.7 U5.12 U5.14 U5.15 U5.16 U5.17 U5.19 U5.21 U5.22 U5.25 USBC1. USBC1.A5 USBC1.A8 USBC1.B5 USBC1.B8 V1.4
copper on no net:
  other v4: 31.623,41.783 95.123,41.783 31.623,97.79 95.123,97.79

## Polygon pours and split planes (outlines as drawn)
GND on Signal Layer 1 "Top Layer-No Net1" (solid, pour order 3): 28.206,41.783 28.206,97.664 28.208,97.664 cw(c31.623,97.79) 31.623,101.207 31.623,101.205 94.997,101.205 cw(c95.123,97.79) 98.54,97.79 98.538,97.79 98.538,41.909 cw(c95.123,41.783) 95.123,38.366 95.123,38.368 31.749,38.368 cw(c31.623,41.783)
AVDD on Signal Layer 2 "Top Layer-No Net2" (solid, pour order 4): 28.206,41.783 28.206,97.664 28.208,97.664 cw(c31.623,97.79) 31.623,101.207 31.623,101.205 94.997,101.205 cw(c95.123,97.79) 98.54,97.79 98.538,97.79 98.538,41.909 cw(c95.123,41.783) 95.123,38.366 95.123,38.368 31.749,38.368 cw(c31.623,41.783)
GND on Bottom Layer "Top Layer-No Net3" (solid, pour order 5): 28.206,41.783 28.206,97.664 28.208,97.664 cw(c31.623,97.79) 31.623,101.207 31.623,101.205 94.997,101.205 cw(c95.123,97.79) 98.54,97.79 98.538,97.79 98.538,41.909 cw(c95.123,41.783) 95.123,38.366 95.123,38.368 31.749,38.368 cw(c31.623,41.783)
GND on Top Layer "Top Layer-No Net" (solid, pour order 2): 28.206,41.783 28.206,97.664 28.208,97.664 cw(c31.623,97.79) 31.623,101.207 31.623,101.205 94.997,101.205 cw(c95.123,97.79) 98.54,97.79 98.538,97.79 98.538,41.909 cw(c95.123,41.783) 95.123,38.366 95.123,38.368 31.749,38.368 cw(c31.623,41.783)

## Keep-outs
Top Layer:
  lines w0.254: 28.194,41.91 ccw(c31.623,41.783) 31.75,38.354 94.996,38.354 ccw(c95.123,41.783) 98.552,41.91 98.552,96.774 98.552,97.663 ccw(c95.123,97.79) 94.996,101.219 31.75,101.219 ccw(c31.623,97.79) 28.194,97.663 28.194,41.91

## Other copper
Top Layer:
  pour cut-out: 28.194,79.502 38.059,70.485 39.116,69.428 39.116,54.991 38.354,54.229 35.433,54.229 34.671,54.991 34.671,61.595 32.385,61.595 32.385,54.991 31.75,54.356 28.194,54.356
Signal Layer 1:
  pour cut-out: 28.194,79.502 38.059,70.485 39.116,69.428 39.116,54.991 38.354,54.229 35.433,54.229 34.671,54.991 34.671,61.595 32.385,61.595 32.385,54.991 31.75,54.356 28.194,54.356
Signal Layer 2:
  pour cut-out: 28.194,79.502 38.059,70.485 39.116,69.428 39.116,54.991 38.354,54.229 35.433,54.229 34.671,54.991 34.671,61.595 32.385,61.595 32.385,54.991 31.75,54.356 28.194,54.356
Bottom Layer:
  pour cut-out: 49.276,76.2 49.276,68.58 56.896,68.58 56.896,76.2
  pour cut-out: 28.194,79.502 38.059,70.485 39.116,69.428 39.116,54.991 38.354,54.229 35.433,54.229 34.671,54.991 34.671,61.595 32.385,61.595 32.385,54.991 31.75,54.356 28.194,54.356

## Silkscreen, mask and mechanical layers (free items; w line width, h text height)
Top Overlay:
  lines w0.254: 42.314,42.799 cw(c43.688,42.799) 44.831,42.037 ; 42.926,42.799 cw(c43.688,42.799) 44.227,42.26
  text "ESP32-S3" at 36.195,41.148 h2
  text "- KnockingLock" at 44.45,41.148 h1.8
Bottom Overlay:
  rectangle: 73.152,77.978 75.565,79.629
  rectangle: 74.041,77.089 75.565,78.359
  rectangle: 72.771,76.708 73.66,77.597
  lines w0.254: 72.771,76.708 72.771,77.597 73.66,77.597 73.66,76.708 72.771,76.708 ; 73.152,77.978 74.041,77.978 74.041,77.089 75.565,77.089 75.565,79.629 73.152,79.629 73.152,77.978
  text "I2cyTec" at 77.47,75.057 h1
  text "v1.0" at 75.692,73.406 h0.8
Bottom Paste:
  rectangle: 49.276,68.453 56.896,76.2
Bottom Solder:
  rectangle: 49.149,68.326 57.023,76.327
Mechanical 1:
  lines w0.254: 31.623,101.205 94.997,101.205 cw(c95.123,97.79) 98.54,97.79 ; 31.623,101.207 ccw(c31.623,97.79) 28.208,97.664 28.206,97.664 28.206,41.783 ccw(c31.623,41.783) 31.749,38.368 95.123,38.368 ; 95.123,38.366 ccw(c95.123,41.783) 98.538,41.909 98.538,97.79